# Allegro board 20250806_UNOQ.brd (continued)
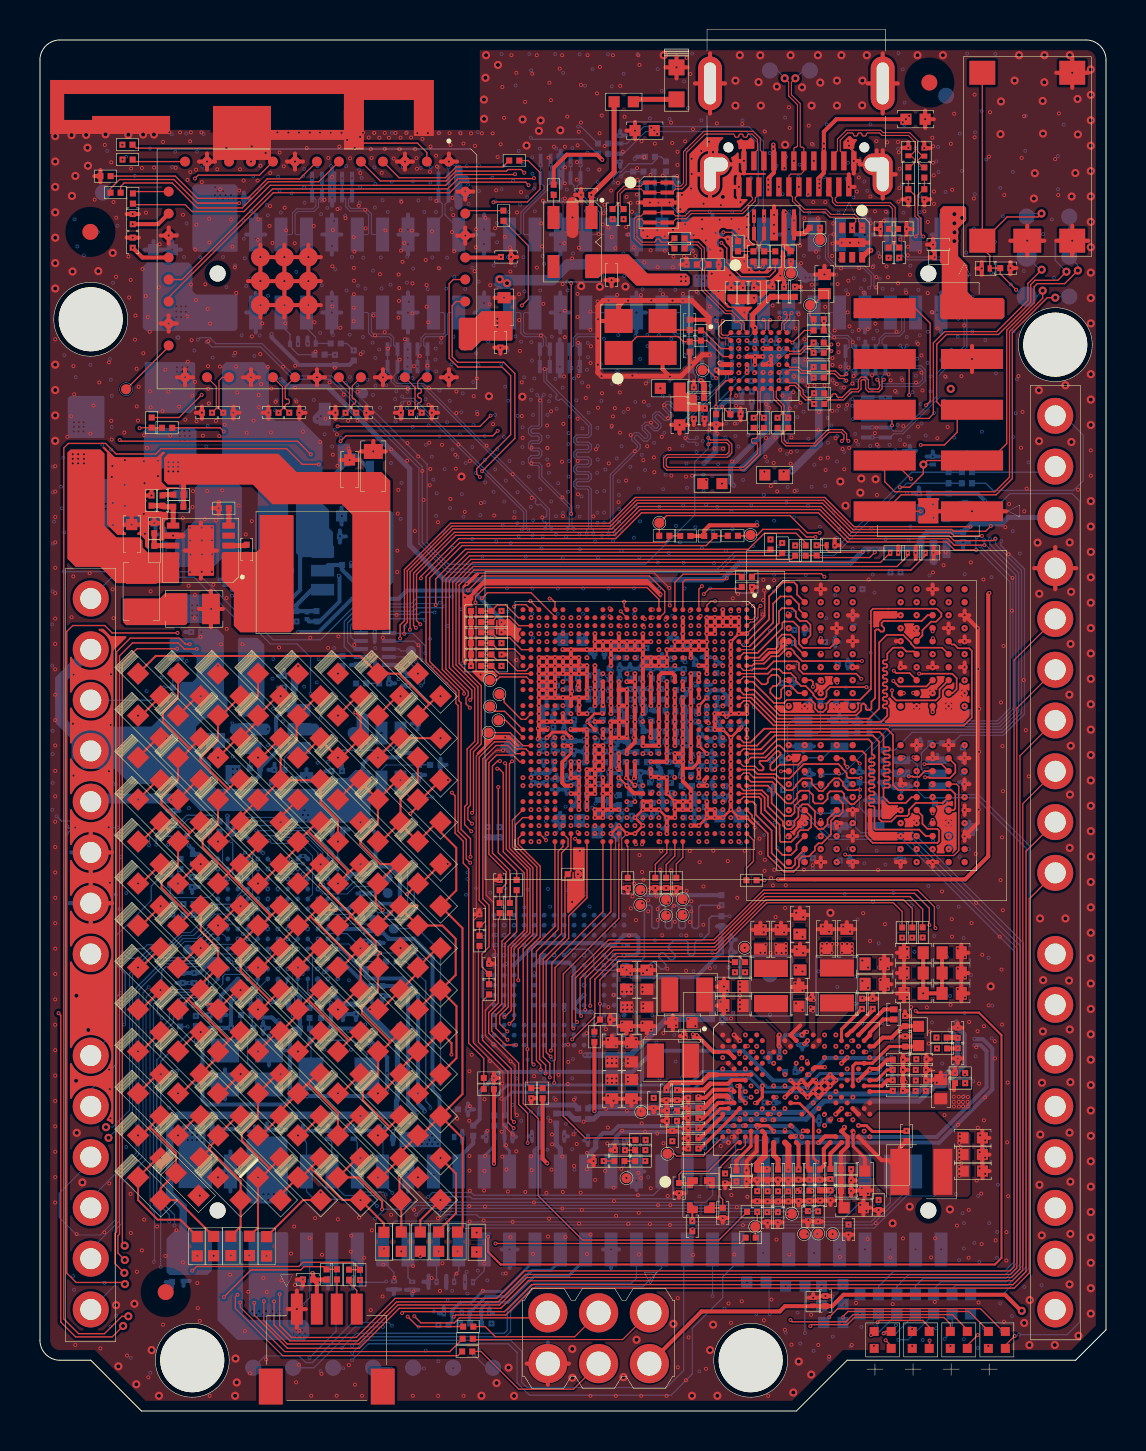
[diagram p0: board, top side]
## Routing (per net, layer and track width the routed paths; a pad name or vN(x,y) marks a point on that pad's centre or on a via; arc(x,y) is an arc through that point) (continued)
v2(0.76,32.02) v2(0.76,30.75) v2(0.76,29.48) v2(0.76,28.21) v2(0.76,26.94) v2(1.55,49.76) v2(1.58,39.7) v2(1.65,34.38) v2(1.68,52.27) v2(1.72,50.85) v2(1.67,41.74) v2(1.68,36.84) v2(1.68,31.79) v2(1.76,29.18) v2(1.83,8.85) v2(1.77,3.3) v2(2.48,41.91) v2(2.73,60.59) v2(2.67,50.3) v2(2.97,51.45) v2(3.05,43.69) v2(3.02,3.13) v2(3.25,63.33) v2(3.22,8.94) v2(3.44,29.2) v2(3.45,52.45) v2(3.54,34.32) v2(3.45,32.01) v2(3.5,26.43) v2(3.46,17.07) v2(3.5,16.1) v2(3.52,14.64) v2(3.46,11.38) v2(3.56,62.46) v2(3.56,49.53) v2(3.59,48.59) v2(3.62,47.27) v2(3.6,46.72) v2(3.65,45.42) v2(3.63,41.1) v2(3.56,36.85) v2(3.68,60.48) v2(3.65,44.31) v2(3.68,39.66) v2(3.82,59.69) v2(3.81,56.73) v2(4.22,48.95) v2(4.25,47.56) v2(4.25,46.33) v2(4.25,45.27) v2(4.32,61.47) v2(4.43,57.74) v2(4.36,2.77) v2(4.54,56.58) v2(4.46,55.7) v2(4.53,10.86) v2(4.54,8.9) v2(4.56,62.15) v2(4.78,54.8) v2(4.75,53.59) v2(4.83,52.13) v2(4.84,50.25) v2(4.85,6.97) v2(4.94,51.23) v2(4.91,49.54) v2(5.1,62.18) v2(5.13,57.12) v2(5.1,8.04) v2(5.17,52.91) v2(5.21,48.81) v2(5.21,47.51) v2(5.23,46.41) v2(5.2,44.88) v2(5.25,43.88) v2(5.21,9.57) v2(5.3,59.95) v2(5.29,55.77) v2(5.39,54.72) v2(5.36,48.17) v2(5.42,1.69) v2(5.49,53.98) v2(5.5,51) v2(5.54,50.2) v2(5.54,41) v2(5.59,61.47) v2(5.59,44.96) v2(5.59,43.69) v2(5.59,42.42) v2(5.71,62.2) v2(5.95,56.21) v2(5.91,47.54) v2(5.91,46.77) v2(5.99,58.37) v2(6.13,50.02) v2(6.16,63.48) v2(6.16,4.32) v2(6.28,52.09) v2(6.28,7.75) v2(6.42,50.98) v2(6.48,63.96) v2(6.52,48.79) v2(6.79,62.19) v2(6.83,9.04) v2(6.86,61.47) v2(6.86,42.42) v2(7.01,63.96) v2(6.96,50.24) v2(7.16,59.84) v2(7.15,44.66) v2(7.15,7.43) v2(7.27,49.59) v2(7.38,61.58) v2(7.39,52.48) v2(7.43,41.28) v2(7.55,63.96) v2(7.51,63.51) v2(7.52,61.97) v2(7.51,44.18) v2(7.52,43.54) v2(7.53,42.84) v2(7.51,41.97) v2(7.55,56.35) v2(7.58,53.56) v2(7.62,50.78) v2(7.63,45.22) v2(7.66,46.02) v2(7.74,39.66) v2(7.81,62.09) v2(7.83,59.34) v2(7.76,58.1) v2(7.81,55.58) v2(7.75,51.48) v2(7.83,49.51) v2(7.75,40.81) v2(8.04,38.73) v2(8,4.51) v2(8.08,63.96) v2(8.1,61.47) v2(8.09,44.19) v2(8.1,43.55) v2(8.11,42.85) v2(8.09,41.98) v2(8.15,48.78) v2(8.25,44.62) v2(8.28,56.36) v2(8.39,55.13) v2(8.43,53.51) v2(8.4,52.27) v2(8.41,51.13) v2(8.37,46.02) v2(8.46,59.64) v2(8.47,58.45) v2(8.46,50.41) v2(8.49,0.76) v2(8.6,44.19) v2(8.61,43.55) v2(8.62,42.85) v2(8.6,41.98) v2(8.68,41.34) v2(8.8,49.53) v2(8.81,44.56) v2(8.87,62.11) v2(9.01,52.24) v2(8.97,48.77) v2(9.12,46.05) v2(9.05,38.35) v2(9.24,49.33) v2(9.32,63.18) v2(9.33,40.66) v2(9.35,39.12) v2(9.4,62.74) v2(9.4,58.93) v2(9.4,57.66) v2(9.4,55.12) v2(9.4,53.85) v2(9.43,47.66) v2(9.4,4.32) v2(9.56,59.6) v2(9.63,58.24) v2(9.75,57.21) v2(9.82,55.93) v2(9.77,52.93) v2(9.81,52.24) v2(9.87,50.95) v2(9.94,45.29) v2(10.01,62.11) v2(10.13,38.35) v2(10.19,61.55) v2(10.35,48.94) v2(10.29,43.85) v2(10.26,4) v2(10.5,1.89) v2(10.6,63.26) v2(10.6,44.51) v2(10.69,49.54) v2(10.67,3.05) v2(10.89,61.55) v2(10.92,59.62) v2(10.9,58.58) v2(10.95,50.82) v2(11.03,62.29) v2(11.02,52.87) v2(10.96,50.22) v2(11.03,0.76) v2(11.12,54.4) v2(11.06,51.37) v2(11.29,62.93) v2(11.31,2.58) v2(11.4,52.23) v2(11.52,61.93) v2(11.51,60.27) v2(11.49,59.28) v2(11.63,58.43) v2(11.58,51.15) v2(11.55,48.95) v2(11.79,50.48) v2(11.88,63.96) v2(11.94,61.47) v2(11.94,52.58) v2(11.94,51.31) v2(11.94,3.05) v2(11.99,62.95) v2(11.96,38.19) v2(12.2,62.26) v2(12.24,60.19) v2(12.17,52.24) v2(12.32,59.06) v2(12.27,54.41) v2(12.3,0.76) v2(12.43,63.95) v2(12.74,58.41) v2(12.77,52.28) v2(12.77,51.19) v2(12.84,50.49) v2(12.76,6.3) v2(12.81,1.44) v2(12.96,63.95) v2(12.97,4.01) v2(12.96,2.31) v2(13.21,53.85) v2(13.16,48.99) v2(13.21,3.05) v2(13.35,63.17) v2(13.5,63.95) v2(13.53,38.68) v2(13.57,0.76) v2(13.7,59.27) v2(13.73,54.46) v2(14.01,63.95) v2(14.02,48.47) v2(14.09,1.86) v2(14.29,49.64) v2(14.43,62.68) v2(14.49,51.45) v2(14.48,3.05) v2(14.56,63.94) v2(14.62,61.73) v2(14.65,47.84) v2(14.76,52.19) v2(14.84,0.76) v2(14.88,60.12) v2(14.86,48.85) v2(14.88,47.28) v2(14.93,38.74) v2(14.98,63.25) v2(15.09,63.94) v2(15.2,50.84) v2(15.29,59.67) v2(15.37,63.58) v2(15.41,49.53) v2(15.45,48.15) v2(15.52,62.66) v2(15.46,2.29) v2(15.7,58.72) v2(15.73,57.99) v2(15.71,57.18) v2(15.71,56.53) v2(15.71,55.86) v2(15.7,55.19) v2(15.7,54.52) v2(15.73,38.33) v2(15.75,63.18) v2(15.76,1.32) v2(15.95,60.29) v2(15.9,50.98) v2(15.89,49.54) v2(16.02,63.73) v2(16.03,61.92) v2(15.96,9.67) v2(16.11,0.76) v2(16.17,63.94) v2(16.27,60.09) v2(16.3,59.16) v2(16.45,63.7) v2(16.55,5.04) v2(16.55,63.12) v2(16.59,62.67) v2(16.61,9.04) v2(16.72,63.93) v2(16.77,53.81) v2(16.98,63.69) v2(17.02,41.15) v2(17.02,39.88) v2(17.1,61.94) v2(17.25,63.93) v2(17.25,63.13) v2(17.25,53.97) v2(17.16,38.69) v2(17.29,59.06) v2(17.41,53.14) v2(17.46,63.69) v2(17.57,9.81) v2(17.7,62.65) v2(17.79,63.93) v2(17.84,39.83) v2(17.95,56.85) v2(17.93,54.7) v2(17.9,44.89) v2(17.87,41.97) v2(18.04,63.69) v2(17.99,63.12) v2(18.05,59.06) v2(17.98,56.17) v2(17.96,55.53) v2(18,52.59) v2(18.06,58.05) v2(18.14,57.48) v2(18.23,58.42) v2(18.33,63.93) v2(18.27,53.61) v2(18.29,41.15) v2(18.41,51.14) v2(18.39,48.41) v2(18.38,47.53) v2(18.46,50.41) v2(18.57,63.7) v2(18.61,59.05) v2(18.64,56.41) v2(18.64,54.91) v2(18.7,52.26) v2(18.72,10.06) v2(18.77,63.12) v2(18.84,62.67) v2(18.76,44.02) v2(18.88,63.92) v2(18.93,47.75) v2(19,52.77) v2(19.14,63.63) v2(19.13,47.02) v2(19.3,57.58) v2(19.34,56.32) v2(19.34,55.24) v2(19.41,63.92) v2(19.43,54.46) v2(19.38,52.29) v2(19.44,50.34) v2(19.54,63.25) v2(19.46,51.17) v2(19.48,48.43) v2(19.53,47.12) v2(19.5,46.3) v2(19.61,59) v2(19.56,19.56) v2(19.82,62.79) v2(19.95,63.92) v2(19.91,9.64) v2(19.95,57.17) v2(20.09,53.68) v2(20.49,63.92) v2(20.55,63.33) v2(20.64,60.68) v2(20.62,58.97) v2(20.68,59.82) v2(20.73,58.02) v2(20.84,51) v2(20.84,49.92) v2(20.79,47.83) v2(20.8,47.13) v2(20.84,6.88) v2(20.94,48.34) v2(20.88,14.62) v2(21.04,63.91) v2(20.97,56.33) v2(20.97,55.11) v2(21,53.86) v2(21.19,63.4) v2(21.24,37.62) v2(21.51,47.52) v2(21.51,15.25) v2(21.48,14.52) v2(21.49,12.76) v2(21.49,12.03) v2(21.5,11.02) v2(21.48,10.25) v2(21.5,9.48) v2(21.57,63.91) v2(21.75,57.02) v2(21.7,50.76) v2(21.77,63.28) v2(21.82,59.11) v2(21.8,58.21) v2(21.86,51.65) v2(21.89,49.87) v2(22.05,36.84) v2(22.11,63.91) v2(22.1,57.66) v2(22.07,45.41) v2(22.25,15.6) v2(22.24,12.02) v2(22.22,11.03) v2(22.2,9.53) v2(22.29,59.68) v2(22.34,48.29) v2(22.27,12.76) v2(22.27,10.23) v2(22.41,60.22) v2(22.39,14.02) v2(22.53,56.31) v2(22.5,55.35) v2(22.65,63.91) v2(22.67,49.37) v2(22.73,44.8) v2(22.77,59.16) v2(22.9,62.73) v2(22.97,60.18) v2(23.14,66.22) v2(23.05,63.36) v2(23.09,15.62) v2(23.11,13.97) v2(23.13,12.72) v2(23.23,64.69) v2(23.26,58.73) v2(23.32,13.29) v2(23.34,12.08) v2(23.37,52.58) v2(23.37,48.77) v2(23.41,10.98) v2(23.52,58.2) v2(23.54,57) v2(23.54,8.69) v2(23.59,67.82) v2(23.73,44.69) v2(23.66,9.46) v2(23.83,66.94) v2(23.84,37.56) v2(23.83,12.99) v2(23.98,55.87) v2(24.02,53.02) v2(24.11,51.45) v2(24.11,49.77) v2(24.16,48.68) v2(24.27,65.48) v2(24.29,10.96) v2(24.64,66.89) v2(24.64,62.74) v2(24.6,48.19) v2(24.59,47.41) v2(24.57,12.74) v2(24.6,12.05) v2(24.71,10.44) v2(24.86,67.82) v2(24.91,34.14) v2(24.9,33.62) v2(25.02,50.55) v2(24.97,29.28) v2(25,0.76) v2(25.08,59.41) v2(25.12,58.26) v2(25.14,44.7) v2(25.16,60.54) v2(25.34,10.91) v2(25.45,62.7) v2(25.38,49.3) v2(25.39,48.18) v2(25.44,47.33) v2(25.4,34.17) v2(25.42,8.73) v2(25.49,66.44) v2(25.54,14.51) v2(25.48,9.62) v2(25.57,65.57) v2(25.57,50.01) v2(25.61,13.84) v2(25.62,13.34) v2(25.59,12.07) v2(25.72,63.24) v2(25.68,33.35) v2(25.8,15.57) v2(25.91,60.2) v2(25.91,58.93) v2(25.95,16.82) v2(26,67.14) v2(26.13,67.82) v2(26.15,38.1) v2(26.14,12.73) v2(26.14,10.13) v2(26.24,58.42) v2(26.16,56.37) v2(26.22,51.75) v2(26.18,49.38) v2(26.17,44.76) v2(26.16,10.96) v2(26.26,63.24) v2(26.27,62.21) v2(26.26,61.41) v2(26.26,60.65) v2(26.27,55.04) v2(26.25,53.72) v2(26.3,8.7) v2(26.27,0.76) v2(26.38,64.75) v2(26.43,18.32) v2(26.43,17.46) v2(26.41,16.36) v2(26.63,36) v2(26.55,35.75) v2(26.57,29.28) v2(26.72,15.57) v2(26.7,13.84) v2(26.73,12.26) v2(26.9,63.31) v2(26.87,62.47) v2(26.86,61.59) v2(26.89,55.88) v2(26.9,54.73) v2(26.93,53.43) v2(26.95,51.78) v2(26.86,13.36) v2(26.96,63.99) v2(26.97,58.19) v2(27,35.32) v2(26.98,9.38) v2(27.07,66.33) v2(27.07,64.45) v2(27.05,37.3) v2(27.05,17.97) v2(27.05,10.92) v2(27.11,10.06) v2(27.18,61.47) v2(27.18,60.2) v2(27.18,58.93) v2(27.18,57.66) v2(27.18,17.02) v2(27.18,15.75) v2(27.2,14.47) v2(27.31,50.67) v2(27.4,67.82) v2(27.43,51.25) v2(27.39,36.06) v2(27.38,32.48) v2(27.35,18.9) v2(27.37,12.9) v2(27.37,12.1) v2(27.54,54.99) v2(27.54,54.08) v2(27.54,0.76) v2(27.57,53.26) v2(27.55,52.42) v2(27.64,16.35) v2(27.55,8.83) v2(27.82,48.1) v2(27.78,11.56) v2(27.87,65.91) v2(27.9,55.5) v2(27.92,50.19) v2(28.02,67.23) v2(28,63.91) v2(28,62.1) v2(27.96,58.87) v2(28.11,64.81) v2(28.12,50.91) v2(28.25,60.34) v2(28.2,59.91) v2(28.16,59.35) v2(28.25,63.27) v2(28.32,19.09) v2(28.33,15.12) v2(28.27,12.02) v2(28.45,64.01) v2(28.4,62.81) v2(28.45,61.47) v2(28.45,59.19) v2(28.45,57.66) v2(28.45,55.55) v2(28.45,50.04) v2(28.44,20.2) v2(28.42,18.57) v2(28.42,15.77) v2(28.41,14.18) v2(28.39,13.38) v2(28.46,47.4) v2(28.58,61.05) v2(28.61,58.73) v2(28.61,49.28) v2(28.67,67.82) v2(28.67,49.75) v2(28.7,20.81) v2(28.7,15.52) v2(28.7,11.17) v2(28.72,10.5) v2(28.79,58.17) v2(28.76,50.16) v2(28.8,18.26) v2(28.83,9.77) v2(28.81,0.76) v2(28.92,61.43) v2(28.88,55.83) v2(29.04,66.28) v2(29.01,50.95) v2(29.02,48.94) v2(29.13,19.43) v2(29.13,14.03) v2(29.09,12.11) v2(29.25,64.74) v2(29.16,62.99) v2(29.34,61.59) v2(29.35,60.73) v2(29.33,59.22) v2(29.32,46.55) v2(29.44,58.85) v2(29.43,55.54) v2(29.42,50.12) v2(29.36,15.02) v2(29.44,9.37) v2(29.48,23.79) v2(29.46,13.37) v2(29.55,60.43) v2(29.62,59.99) v2(29.56,48.82) v2(29.57,19.08) v2(29.72,58.2) v2(29.72,57.66) v2(29.72,56.39) v2(29.72,15.52) v2(29.76,48.01) v2(29.82,18.59) v2(29.94,67.82) v2(29.88,62.17) v2(29.9,61.59) v2(29.86,60.85) v2(29.9,60.44) v2(29.92,10.8) v2(30,67.33) v2(29.96,9.91) v2(30.1,63.52) v2(30.07,55.82) v2(30.11,14.39) v2(30.07,11.65) v2(30.08,0.76) v2(30.24,62.72) v2(30.16,59.05) v2(30.24,57.45) v2(30.19,47.56) v2(30.32,18.66) v2(30.39,58.76) v2(30.38,48.26) v2(30.52,9.35) v2(30.55,61.83) v2(30.55,58.06) v2(30.59,55.55) v2(30.58,19.08) v2(30.57,11.14) v2(30.72,47.7) v2(30.74,46.96) v2(30.77,63.4) v2(30.88,59.06) v2(30.9,57.22) v2(30.91,17.16) v2(30.89,13.88) v2(30.93,10.3) v2(30.99,62.74) v2(30.99,57.66) v2(30.99,56.39) v2(31.11,48.73) v2(31.14,23.8) v2(31.16,61.8) v2(31.17,55.86) v2(31.19,18.9) v2(31.2,13.39) v2(31.27,58.76) v2(31.27,58.04) v2(31.33,11.54) v2(31.42,49.67) v2(31.36,37.29) v2(31.36,29.65) v2(31.42,18.29) v2(31.41,10.76) v2(31.35,0.76) v2(31.5,60.45) v2(31.5,48.13) v2(31.54,10.29) v2(31.52,9.31) v2(31.64,63.43) v2(31.65,55.54) v2(31.59,46.79) v2(31.62,20.07) v2(31.67,59.09) v2(31.7,57.74) v2(31.8,19.58) v2(31.83,19.28) v2(31.9,62.99) v2(31.9,62.33) v2(31.88,61.78) v2(31.86,17.72) v2(31.91,2.19) v2(32.04,60.11) v2(32.01,17.16) v2(32.12,60.83) v2(32.22,57.76) v2(32.17,55.88) v2(32.17,55.53) v2(32.16,18.85) v2(32.26,65.28) v2(32.28,63.51) v2(32.26,62.74) v2(32.26,61.47) v2(32.28,59.37) v2(32.26,55.12) v2(32.26,53.85) v2(32.26,52.58) v2(32.26,51.31) v2(32.29,48.67) v2(32.33,46.74) v2(32.34,23.79) v2(32.31,18.69) v2(32.26,4.32) v2(32.26,3.05) v2(32.32,1.54) v2(32.35,67.69) v2(32.54,66.88) v2(32.47,15.25) v2(32.45,3.69) v2(32.6,62.64) v2(32.61,61.88) v2(32.58,61.15) v2(32.63,46.78) v2(32.7,58.82) v2(32.68,58.02) v2(32.79,57.78) v2(32.85,55.99) v2(32.96,32.84) v2(33.09,63.03) v2(33.12,59.6) v2(33.13,59.13) v2(33.13,17.14) v2(33.2,60.39) v2(33.19,24.32) v2(33.17,19.45) v2(33.33,58.55) v2(33.33,2.11) v2(33.4,18.52) v2(33.47,63.49) v2(33.53,61.47) v2(33.53,58.1) v2(33.49,49.06) v2(33.53,20.11) v2(33.53,6.86) v2(33.74,48.14) v2(33.8,58.93) v2(33.84,17.71) v2(33.9,48.89) v2(34,59.59) v2(33.96,25.2) v2(34.04,18.92) v2(34.07,60.31) v2(34.18,48.13) v2(34.16,17.11) v2(34.28,11.43) v2(34.41,58.62) v2(34.37,20.07) v2(34.6,59.63) v2(34.58,19.64) v2(34.59,10.8) v2(34.58,4.41) v2(34.66,40.65) v2(34.84,50.79) v2(34.83,50.28) v2(34.77,49.4) v2(34.81,22.79) v2(34.79,18.54) v2(34.8,6.86) v2(34.93,40.88) v2(34.87,10.97) v2(34.87,10.2) v2(35.05,60.47) v2(34.97,59.12) v2(34.95,57.27) v2(35.24,57.52) v2(35.19,19.32) v2(35.17,9.3) v2(35.39,59.74) v2(35.37,59.22) v2(35.35,58.66) v2(35.41,40.42) v2(35.39,10.71) v2(35.48,57.08) v2(35.52,23.57) v2(35.86,17.67) v2(35.96,17.14) v2(36.07,6.86) v2(36.2,41.58) v2(36.23,41.05) v2(36.19,40.56) v2(36.16,39.84) v2(36.2,24.23) v2(36.22,4.54) v2(36.33,50.37) v2(36.33,48.67) v2(36.3,47.73) v2(36.27,27.57) v2(36.26,27.02) v2(36.44,18.27) v2(36.41,9.43) v2(36.43,0.76) v2(36.49,57.1) v2(36.49,50.18) v2(36.5,22.5) v2(36.48,21.39) v2(36.45,20.19) v2(36.45,19.34) v2(36.57,46.27) v2(36.58,26.66) v2(36.59,17.83) v2(36.73,58.9) v2(36.66,55.3) v2(36.71,47.42) v2(36.73,41.55) v2(36.74,27.07) v2(36.67,26.29) v2(36.8,48.69) v2(36.8,24.7) v2(36.89,46) v2(36.91,24.19) v2(37,54.69) v2(37.04,48.08) v2(37.15,50.79) v2(37.23,23.94) v2(37.34,51.31) v2(37.31,26.3) v2(37.28,25.16) v2(37.34,6.86) v2(37.27,4.06) v2(37.53,50.62) v2(37.52,50.15) v2(37.6,48.7) v2(37.57,47.97) v2(37.56,47.39) v2(37.59,14.85) v2(37.6,3.32) v2(37.76,46.02) v2(37.85,14.45) v2(37.96,54.86) v2(38.09,16.46) v2(38.25,59.66) v2(38.23,27.07) v2(38.61,60.2) v2(38.56,20.7) v2(38.61,6.86) v2(38.69,60.47) v2(38.66,27.3) v2(38.71,20.55) v2(38.75,51.3) v2(38.76,12.86) v2(38.92,59.66) v2(38.94,15.78) v2(38.95,3.31) v2(38.95,49.07) v2(39.06,47.65) v2(39.14,11.35) v2(39.17,12.75) v2(39.29,60.47) v2(39.26,51.3) v2(39.31,47.07) v2(39.42,47.69) v2(39.49,23.98) v2(39.49,2.72) v2(39.64,57.78) v2(39.69,59.4) v2(39.7,58.86) v2(39.66,58.4) v2(39.74,53.7) v2(39.81,48.66) v2(39.88,61.47) v2(39.88,9.4) v2(39.88,6.86) v2(40.12,58.44) v2(40.16,48.12) v2(40.24,47.11) v2(40.19,24.23) v2(40.43,63.53) v2(40.45,56.54) v2(40.43,55.86) v2(40.41,54.95) v2(40.48,63.29) v2(40.53,58.44) v2(40.51,54.26) v2(40.45,52.2) v2(40.48,48.17) v2(40.54,23.98) v2(40.46,8.82) v2(40.65,51.4) v2(40.63,15.35) v2(40.62,3.3) v2(40.67,53.47) v2(40.83,48.53) v2(40.87,61) v2(40.97,61.7) v2(40.97,58.45) v2(40.97,54.08) v2(41.05,10.31) v2(41.09,60) v2(41.12,11.15) v2(41.15,10.67) v2(41.15,9.4) v2(41.15,6.86) v2(41.21,55.95) v2(41.24,14) v2(41.42,54.12) v2(41.43,10.87) v2(41.35,10.01) v2(41.41,8.6) v2(41.55,60.75) v2(41.52,13.72) v2(41.57,59.42) v2(41.63,51.81) v2(41.67,57.22) v2(41.78,60.01) v2(41.8,54.39) v2(41.77,48.91) v2(41.81,9.4) v2(41.85,63.52) v2(41.85,56.72) v2(41.85,56.21) v2(41.86,49.19) v2(41.88,48.34) v2(41.88,45.82) v2(42.02,57.74) v2(42.23,59.54) v2(42.33,59.99) v2(42.39,63.46) v2(42.36,57.25) v2(42.43,56.71) v2(42.42,44.96) v2(42.42,21.13) v2(42.42,10.67) v2(42.42,6.86) v2(42.46,51.86) v2(42.56,51.55) v2(42.79,51.02) v2(42.93,63.48) v2(42.93,56.41) v2(42.85,53.99) v2(42.97,62.96) v2(43.01,62.14) v2(43,61.17) v2(42.96,60.5) v2(43.05,58.6) v2(43.15,51.58) v2(43.2,49.26) v2(43.18,8.63) v2(43.27,48.34) v2(43.32,16.46) v2(43.43,58.24) v2(43.42,57.81) v2(43.38,23.11) v2(43.41,22.71) v2(43.38,22.12) v2(43.38,21.69) v2(43.36,21.08) v2(43.38,20.7) v2(43.59,20.2) v2(43.69,65.28) v2(43.69,10.67) v2(43.69,9.4) v2(43.69,6.86) v2(43.84,51.44) v2(43.92,53.38) v2(43.93,49.24) v2(44.1,52.8) v2(44.11,51.94) v2(44.25,60.01) v2(44.16,51.05) v2(44.42,59.48) v2(44.38,20.2) v2(44.52,18.98) v2(44.47,18.38) v2(44.65,63.69) v2(44.63,54.97) v2(44.6,31.33) v2(44.69,63.26) v2(44.68,62.44) v2(44.72,61.81) v2(44.73,61) v2(44.73,60.38) v2(44.68,45.35) v2(44.71,44.68) v2(44.79,8.64) v2(44.91,54.15) v2(44.9,48.66) v2(44.96,65.28) v2(44.96,64.01) v2(44.96,62.74) v2(44.96,61.47) v2(44.96,60.2) v2(44.96,24.64) v2(44.96,23.37) v2(44.96,22.1) v2(44.96,10.67) v2(44.96,9.4) v2(44.96,6.86) v2(45.29,51.74) v2(45.32,42.97) v2(45.26,14.8) v2(45.42,49.22) v2(45.62,24.6) v2(45.63,23.73) v2(45.56,20.32) v2(45.59,19.81) v2(45.92,23.14) v2(45.92,22.12) v2(45.92,21.11) v2(45.93,14.31) v2(45.88,9.28) v2(45.97,20.12) v2(46.1,51.77) v2(46.23,65.28) v2(46.23,62.74) v2(46.23,61.47) v2(46.23,60.2) v2(46.24,54.31) v2(46.23,23.37) v2(46.23,6.86) v2(46.28,22.71) v2(46.28,21.69) v2(46.28,20.68) v2(46.49,19.46) v2(46.47,10.06) v2(46.47,7.67) v2(46.61,24.41) v2(46.84,18.2) v2(46.91,19) v2(46.92,14.17) v2(46.87,11.54) v2(46.99,16.38) v2(47.04,13.79) v2(47.02,12.95) v2(47.02,12.14) v2(47.15,22.82) v2(47.09,10.88) v2(47.12,8.35) v2(47.23,19.25) v2(47.23,14.54) v2(47.29,15.69) v2(47.29,13.54) v2(47.29,12.67) v2(47.29,11.86) v2(47.5,61.47) v2(47.5,60.2) v2(47.5,58.93) v2(47.5,57.66) v2(47.5,47.5) v2(47.5,46.23) v2(47.5,44.96) v2(47.47,20.29) v2(47.5,17.02) v2(47.5,6.86) v2(47.77,18.5) v2(47.78,17.64) v2(47.81,8.54) v2(48.02,23.73) v2(48.11,22.08) v2(48.14,19.33) v2(48.18,25.05) v2(48.23,4.47) v2(48.3,44.21) v2(48.35,8.95) v2(48.35,7.53) v2(48.49,45.37) v2(48.77,47.5) v2(48.77,46.23) v2(50.04,46.23) v2(50.04,38.61) v2(50.04,36.07) v2(50.04,33.53) v2(50.04,30.99) v2(50.04,28.45) v2(50.04,25.91) v2(52.58,48.05) v2(52.58,46.78) v3(6.17,25.2) v3(6.17,24.25) v3(7.3,19.79) v3(7.8,43.87) v3(7.79,43.18) v3(7.79,42.39) v3(8.37,43.87) v3(8.36,43.18) v3(8.36,42.39) v3(9.49,51.64) v3(9.82,50.31) v3(11.39,49.62) v3(12.1,49.16) v3(12.36,60.66) v3(12.41,59.75) v3(12.82,49.31) v3(12.88,61.04) v3(13.08,59.56) v3(13.16,61.29) v3(13.54,60.84) v3(14.32,48.37) v3(14.63,61.38) v3(14.81,60.98) v3(14.82,50.34) v3(14.96,60.6) v3(15.95,60.69) v3(16.12,61.33) v3(17.09,17.14) v3(17.37,20.6) v3(17.79,22.63) v3(17.89,21.92) v3(18,20.62) v3(17.98,20.01) v3(18.29,16.49) v3(18.58,19.56) v3(18.61,16.98) v3(18.8,20.65) v3(19.25,24.69) v3(19.26,20.65) v3(19.46,61.73) v3(20.66,61.15) v3(20.95,61.84) v3(23.54,43.99) v3(23.79,48.16) v3(23.81,47.35) v3(24.85,44.22) v3(24.85,43.45) v3(24.97,63.47) v3(25.29,61.92) v3(25.27,61.2) v3(25.8,60.94) v3(25.98,55.7) v3(26,54.29) v3(25.98,44.3) v3(26.01,43.46) v3(26.06,48.67) v3(26.35,37.9) v3(26.8,37.45) v3(26.9,38) v3(26.98,61.88) v3(27.09,48.63) v3(27.14,44.27) v3(28.06,44.06) v3(28.41,57.05) v3(28.48,54.39) v3(28.72,53.2) v3(28.8,55.12) v3(29.04,50.4) v3(29.36,54.38) v3(29.4,52.48) v3(29.52,49.24) v3(29.51,48.4) v3(29.9,56.94) v3(30.23,52.05) v3(30.29,56.26) v3(30.41,49.25) v3(30.55,54.72) v3(30.92,33.75) v3(31.3,54.37) v3(31.82,54.89) v3(32.52,49) v3(32.54,47.99) v3(33.31,47.84) v3(34.22,54.91) v3(34.48,53.81) v3(34.45,53.22) v3(35.77,54.53) v3(35.98,48.97) v3(36.56,49.91) v3(36.61,49.03) v3(36.63,48.34) v3(36.73,56.26) v3(37.23,48.95) v3(37.65,57.98) v3(37.95,55.63) v3(38.37,53.17) v3(38.42,52.6) v3(39.01,57.59) v3(39.06,58.18) v3(39.42,53.76) v3(39.67,54.48) v3(39.7,50.13) v3(39.82,49.07) v3(39.83,47.61) v3(40.18,58.85) v3(40.81,49.36) v3(40.86,51.19) v3(40.97,54.38) v3(41.07,49.72) v3(41.3,55.62) v3(41.38,48.2) v3(41.55,49.66) v3(41.64,59.01) v3(41.76,52.44) v3(42.12,49.78) v3(42.16,55.22) v3(42.23,51.12) v3(42.34,52.82) v3(42.47,53.47) v3(43.03,52.78) v3(43.29,58.84) v3(43.29,56.12) v3(43.61,57.54) v3(43.8,54.62) v3(43.9,56.22) v3(43.91,53.78) v3(43.99,58.36) v4(0.65,47.23) v4(0.65,45.95) v4(0.65,43.39) v4(0.64,41) v4(0.62,39.34) v4(0.62,37.28) v4(0.63,34.03) v4(0.63,32.86) v4(0.63,31.41) v4(0.61,30.07) v4(0.7,44.48) v4(1.06,46.23) v4(1.1,45.16) v4(1.22,52.81) v4(1.17,47.68) v4(1.22,43.95) v4(1.73,59.61) v4(1.68,46.91) v4(1.66,6.75) v4(1.7,6.07) v4(1.79,51.72) v4(1.86,58.26) v4(2.04,47.62) v4(2.2,57.8) v4(2.52,52.33) v4(2.55,46.91) v4(2.9,58.97) v4(3.12,48.35) v4(3.1,47.47) v4(3.23,6.41) v4(3.5,52.62) v4(3.54,51.59) v4(3.52,46.98) v4(3.49,27.13) v4(3.54,4.23) v4(3.6,50.78) v4(3.59,49.22) v4(3.56,48.09) v4(3.65,56.44) v4(3.79,25.82) v4(3.8,4.76) v4(3.88,59.29) v4(3.98,25.11) v4(4.05,27.72) v4(4.32,62.74) v4(4.32,25.91) v4(4.32,10.67) v4(4.32,9.4) v4(4.53,28.5) v4(4.54,2.66) v4(5.33,36.01) v4(5.52,1.92) v4(5.59,34.8) v4(6.08,36.7) v4(6.36,35.54) v4(6.42,28.34) v4(6.86,34.8) v4(7.34,37.52) v4(7.38,36.9) v4(7.46,30.16) v4(8.14,62.24) v4(8.13,58.93) v4(8.54,32.83) v4(9.33,56.22) v4(9.31,11.88) v4(9.4,48.77) v4(9.61,40.78) v4(9.62,34.4) v4(9.64,32.74) v4(9.77,57.3) v4(10.39,41.81) v4(10.54,56.65) v4(10.48,39.88) v4(10.67,61.77) v4(10.73,40.99) v4(10.67,38.61) v4(10.81,58.64) v4(10.78,55.52) v4(11.03,62.26) 